# Altium PCB Smartfin Main PCBA.PcbDoc (part 1 of 2) (continued)
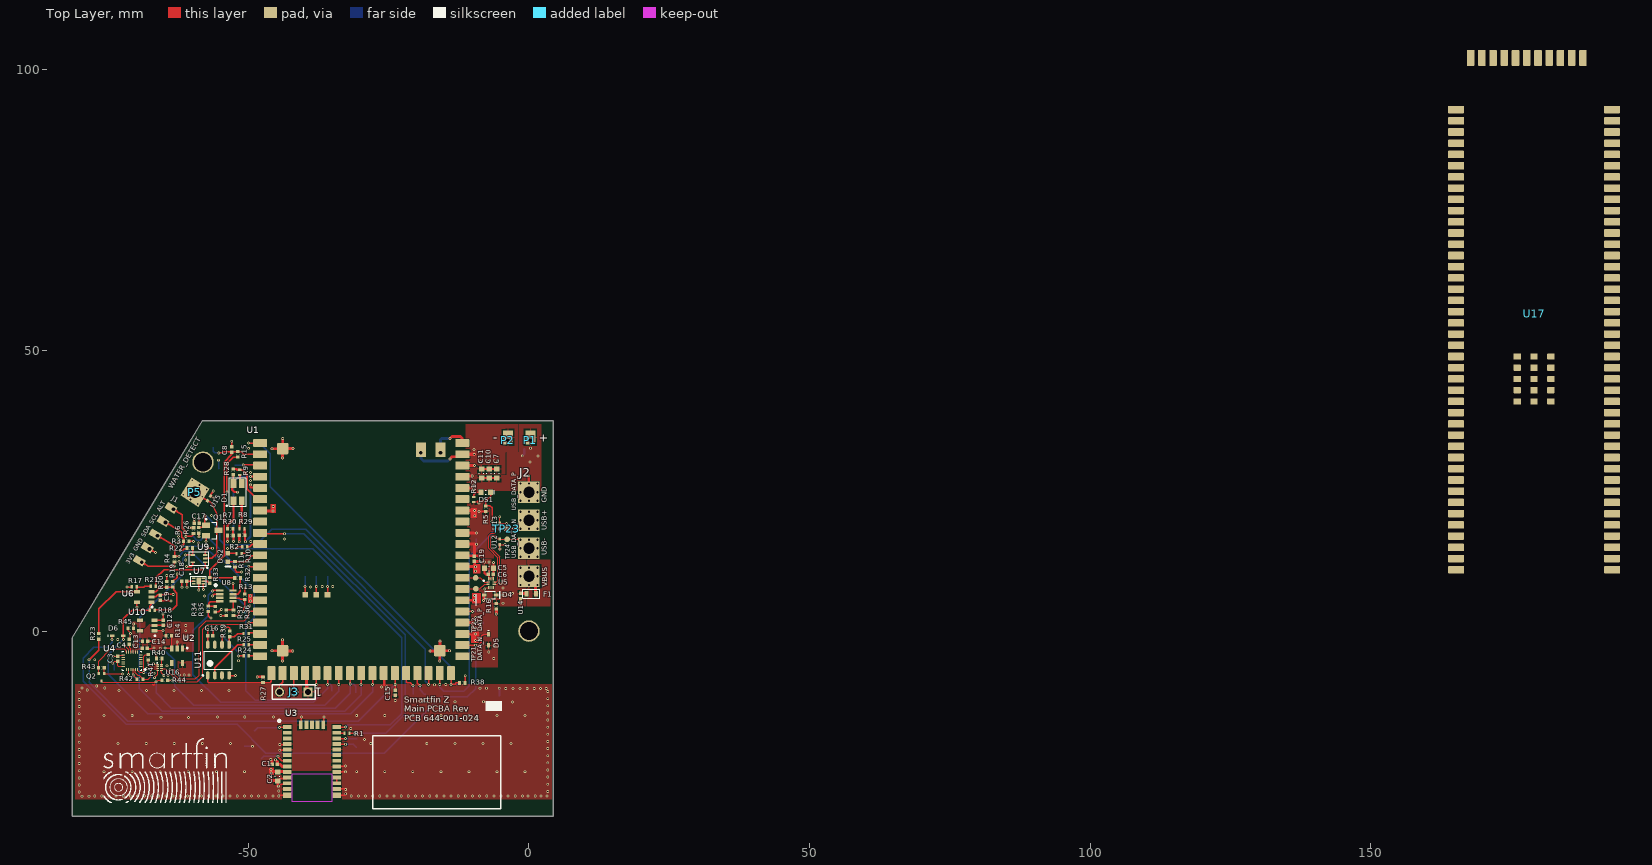
[diagram p0: Top Layer view]
## Footprints (in the part's own frame and the unit in brackets; to place one, negate y for a bottom-side part, rotate by r counter-clockwise, add the part's x,y. Pads: shape width x height; smd on the part's side, far side on the other; paste and mask are expansions set on the pad) (continued)
MF-FSMF010X-2-Footprint-1 [mil]
  rect 28x39 smd: 1(-33.5,0) 2(33.5,0)
  silkscreen extent -60,-30 60,30, body extent -36,-13 36,13, height 28
MLX90248ELD-EBA-000-RE-Footprint-1 [mm]
  rect 0.25x0.6 smd mask+0.08: 1(-0.5,-0.85) 2(0,-0.85) 3(0.5,-0.85) 4(0.5,0.85) 5(0,0.85) 6(-0.5,0.85)
  rect 1.25x0.75 smd: 7(0,0)
  silkscreen extent -1.34,-1.59 0.89,1.4, body extent -0.74,-1 0.76,1, height 0.4
"New footprint 1" [mm]
  rect 3.81x3.81 hole 2: 1(0,0) 2(0,-5) 3(0,-10) 4(0,-15)
  body extent -0.99,-16 1,1, height 6.2
"Particle E-Series-Footprint-1" [mm]
  rrect15% 2.5x1.4 smd: 1(-0.008,2) 2(-0.008,4) 3(-0.008,6) 4(-0.008,8) 5(-0.008,10) 6(-0.008,12) 7(-0.008,14) 8(-0.008,16) 9(-0.008,18) 10(-0.008,20) 11(-0.008,22) 12(-0.008,24) 13(-0.008,26) 14(-0.008,28) 15(-0.008,30) 16(-0.008,32) 17(-0.008,34) 18(-0.008,36) 19(-0.008,38) 20(-0.008,40) 38(36.008,40) 39(36.008,38) 40(36.008,36) 41(36.008,34) 42(36.008,32) 43(36.008,30) 44(36.008,28) 45(36.008,26) 46(36.008,24) 47(36.008,22) 48(36.008,20) 49(36.008,18) 50(36.008,16) 51(36.008,14) 52(36.008,12) 53(36.008,10) 54(36.008,8) 55(36.008,6) 56(36.008,4) 57(36.008,2)
  rrect15% 1.4x2.5 smd: 21(2,43.008) 22(4,43.008) 23(6,43.008) 24(8,43.008) 25(10,43.008) 26(12,43.008) 27(14,43.008) 28(16,43.008) 29(18,43.008) 30(20,43.008) 31(22,43.008) 32(24,43.008) 33(26,43.008) 34(28,43.008) 35(30,43.008) 36(32,43.008) 37(34,43.008)
  rrect15% 2x2 smd: 58(32,3) 59(32,39) 60(4,39)
  rect 1x1 smd: 61(24,29) 62(26,29) 63(28,29)
  body extent 0,0 36,43, height 4.19
QBLP677AD-RGB2-Footprint-1 [mm]
  rect 1.016x1.524 smd: 1(-0.75,-1.55) 2(-0.75,1.55) 3(0.75,-1.55) 4(0.75,1.55)
  silkscreen extent -2,-2.54 1.53,2.54, body extent -1.4,-1.6 1.4,1.6, height 3.3
QFN35P100X140X40-8L [mm] "QFN, 8-Leads, Body 1.00x1.40mm, Pitch 0.35mm, IPC High Density"
  rect 0.53x0.2 smd mask+0.05: 1(-0.335,0.525) 2(-0.335,0.175) 3(-0.335,-0.175) 4(-0.335,-0.525) 5(0.335,-0.525) 6(0.335,-0.175) 7(0.335,0.175) 8(0.335,0.525)
  silkscreen extent -0.47,0.8 -0.38,0.9, body extent -0.53,-0.72 0.53,0.72, height 0.4
RESC0402(1005)_N [mm] "Chip Resistor, Body 1.0x0.5mm, IPC Medium Density"
  rect 0.55x0.65 smd: 1(-0.5,0) 2(0.5,0)
  silkscreen extent 0,-0.25 0,0.25, body extent -0.52,-0.27 0.53,0.28, height 0.4
RESC1005X04N [mm] "Chip Resistor, 2-Leads, Body 1.00x0.50mm, IPC Medium Density"
  rect 0.4x0.6 smd: 1(-0.45,0) 2(0.45,0)
  body extent -0.53,-0.28 0.53,0.28, height 0.4
SOD323F [mm] "SOD323F, 2-Leads, Body 1.25x2.50mm, IPC Medium Density"
  rect 0.8x0.5 smd: A(1.1,0) K(-1.1,0)
  silkscreen extent -1.73,-0.7 0.9,0.7, body extent -0.9,-0.67 0.9,0.67, height 0.75
SOD-523F [mm] "Molded Diode, 2-Leads, Body 1.2x0.8mm, IPC Medium Density"
  rect 0.8x0.5 smd: A(-1,0) K(1,0)
  silkscreen extent 1.7,-0.15 1.7,0.15, body extent -0.65,-0.45 0.65,0.45, height 0.7
SOP127P600X175-8N [mm] "SOP, 8-Leads, Body 4.90x3.90mm, Pitch 1.27mm, IPC Medium Density"
  oval 1.45x0.65 smd: 1(-2.725,1.905) 2(-2.725,0.635) 3(-2.725,-0.635) 4(-2.725,-1.905) 5(2.725,-1.905) 6(2.725,-0.635) 7(2.725,0.635) 8(2.725,1.905)
  silkscreen extent -2.85,-2.5 1.6,2.9, body extent -2,-2.5 2,2.5, height 1.75
SOT95P251X112-3N [mm] "SOT23, 3-Leads, Body 2.92x2.51mm, Pitch 0.95mm, IPC Medium Density"
  rect 1.4x1 smd: D(1.1,0) G(-1.1,0.95) S(-1.1,-0.95)
  silkscreen extent -1.22,-1.5 0.76,2.12, body extent -0.76,-1.52 0.76,1.52, height 1.12
SOT95P280X145-5N [mm] "SOT23, 5-Leads, Body 2.90x2.80mm, Pitch 0.95mm, IPC Medium Density"
  rect 1.1x0.6 smd: 1(-1.3,0.95) 2(-1.3,0) 3(-1.3,-0.95) 4(1.3,-0.95) 5(1.3,0.95)
  silkscreen extent -1.5,1.7 -1.25,1.95, body extent -0.88,-1.52 0.87,1.53, height 1.45
TESTPAD_ICT#1 [mm] "ICT Test Point; 1mm diameter"
  round 1 smd paste-1: 1(0,0)
TESTPAD_ICT#2 [mm] "ICT Test Point; 1mm diameter"
  round 1 smd paste-1: 1(-0.835,0)
TESTPAD_ICT#3 [mm] "ICT Test Point; 1mm diameter"
  round 1 smd far side paste-1: 1(0,0)
TESTPAD_ICT#4 [mm] "ICT Test Point; 1mm diameter"
  round 1 smd paste-1: 1(9.35,4.673)
TESTPAD_ICT#5 [mm] "ICT Test Point; 1mm diameter"
  round 1 smd paste-1: 1(-0.606,0)
TLV73333PDBVR-Footprint-1 [mm]
  rect 1.1x0.6 smd: 1(1.298,-0.95) 2(1.298,0) 3(1.298,0.95) 4(-1.296,0.95) 5(-1.296,-0.95)
  silkscreen extent 1.25,-1.92 1.5,-1.68, body extent -1.35,-1.42 1.45,1.47, height 1.11
TPD1E10B06DPYT-Footprint-1 [mm]
  rect 0.6x0.5 smd: 1(-0.5,0) 2(0.5,0)
  body extent -0.55,-0.35 0.55,0.35, height 0.5
TRACKER-SOM-3A [mm] "TRACKER-SOM-3A"
  rrect15% 2.8x1.35 smd: 1(27.9,-91.3) 2(27.9,-89.3) 3(27.9,-87.3) 4(27.9,-85.3) 5(27.9,-83.3) 6(27.9,-81.3) 7(27.9,-79.3) 8(27.9,-77.3) 9(27.9,-75.3) 10(27.9,-73.3) 11(27.9,-71.3) 12(27.9,-69.3) 13(27.9,-67.3) 14(27.9,-65.3) 15(27.9,-63.3) 16(27.9,-61.3) 17(27.9,-59.3) 18(27.9,-57.3) 19(27.9,-55.3) 20(27.9,-53.3) 21(27.9,-51.3) 22(27.9,-49.3) 23(27.9,-47.3) 24(27.9,-45.3) 25(27.9,-43.3) 26(27.9,-41.3) 27(27.9,-39.3) 28(27.9,-37.3) 29(27.9,-35.3) 30(27.9,-33.3) 31(27.9,-31.3) 32(27.9,-29.3) 33(27.9,-27.3) 34(27.9,-25.3) 35(27.9,-23.3) 36(27.9,-21.3) 37(27.9,-19.3) 38(27.9,-17.3) 39(27.9,-15.3) 40(27.9,-13.3) 41(27.9,-11.3) 42(27.9,-9.3) 54(0.1,-9.3) 55(0.1,-11.3) 56(0.1,-13.3) 57(0.1,-15.3) 58(0.1,-17.3) 59(0.1,-19.3) 60(0.1,-21.3) 61(0.1,-23.3) 62(0.1,-25.3) 63(0.1,-27.3) 64(0.1,-29.3) 65(0.1,-31.3) 66(0.1,-33.3) 67(0.1,-35.3) 68(0.1,-37.3) 69(0.1,-39.3) 70(0.1,-41.3) 71(0.1,-43.3) 72(0.1,-45.3) 73(0.1,-47.3) 74(0.1,-49.3) 75(0.1,-51.3) 76(0.1,-53.3) 77(0.1,-55.3) 78(0.1,-57.3) 79(0.1,-59.3) 80(0.1,-61.3) 81(0.1,-63.3) 82(0.1,-65.3) 83(0.1,-67.3) 84(0.1,-69.3) 85(0.1,-71.3) 86(0.1,-73.3) 87(0.1,-75.3) 88(0.1,-77.3) 89(0.1,-79.3) 90(0.1,-81.3) 91(0.1,-83.3) 92(0.1,-85.3) 93(0.1,-87.3) 94(0.1,-89.3) 95(0.1,-91.3)
  rrect15% 1.35x2.8 smd: 43(22.7,-0.1) 44(20.7,-0.1) 45(18.7,-0.1) 46(16.7,-0.1) 47(14.7,-0.1) 48(12.7,-0.1) 49(10.7,-0.1) 50(8.7,-0.1) 51(6.7,-0.1) 52(4.7,-0.1) 53(2.7,-0.1)
  rrect15% 1.3x1.1 smd paste+0: 96(17,-61.3) 97(17,-59.3) 98(17,-57.3) 99(17,-55.3) 100(17,-53.3) 101(11,-55.3) 102(11,-57.3) 103(11,-59.3) 104(11,-61.3) 105(11,-53.3) 106(14,-53.3) 107(14,-55.3) 108(14,-57.3) 109(14,-59.3) 110(14,-61.3)
  body extent -1.31,-91.98 29.31,1.31, height 1.27
TS5A4595DCKR-Footprint-1 [mm]
  rect 0.35x0.85 smd: 1(0.65,1.1) 2(0,1.1) 3(-0.65,1.1) 4(-0.65,-1.1) 5(0.65,-1.1)
  silkscreen extent -1.19,-1.78 1.75,1.72, body extent -1.07,-0.7 1.08,0.7, height 1
"Water Detect Pad-Footprint-1" [mm]
  rect 3.81x3.81 hole 2 rot 58: 1(0.008,-0.019)
  body extent -0.98,-1.02 1.01,0.98, height 8.2

## Part data
C1 C3 C4 C6 C8 C9 C12 C13 C14 C15 C16 C17 C18 C19: library part CMP-13694-A.6, "CAP CER 1UF 10V 10% X5R 0402"
C2 C5 C7 C10 C11: library part CMP-23693-A.2, "CAP CER 22UF 10V X5R 0603"
D1: library part CMP-23886-A.1, "LED RGB, 3528 PLCC4 DOME LENS, 2"
D4: library part CMP-16992-A.4, "DIODE ZENER 5.42V 200MW SOD-323"
D5 D6: library part CMP-23830-A.2, "DIODE SCHOTTKY 30V 200MA SOD523F"
DS1: library part CMP-08086-A.3, "LED 1.6X0.8MM 570NM GRN CLR SMD"
DS2: library part CMP-23696-A.2, "LED RED CLEAR CHIP SMD 0603"
F1: library part CMP-23709-A.6, "0603 SMD POLYMER PTC 1.25A/8V"
J1: library part CMP-23769-A.7, "Pads on the main pcb that connect a cable to temp sensor board"
J2: library part CMP-23701-A.5, "usb power connection"
J3: library part CMP-09249-5, "CONN HEADER .100\" SNGL STR 3POS"
P1 P2 P3 P4: library part CMP-23776-A.3, "Battery Pad for Smartfin Main board"
P5: library part CMP-23706-A.3
Q1: library part CMP-08418-A.8, "MOSFET N-CH 50V 220MA SOT-23"
Q2: library part CMP-23815-A.1, "MOSFET N-CH 20V 230MA SOT523"
R1 R2 R10 R21: library part CMP-22585-A.1, "RES SMD 330 OHM 1% 1/16W 0402"
R3 R4 R5 R6 R11 R13 R14 R15 R16 R19 R20 R22 R26 R27 R28 R29 R30 R34 R35 R36 R37 R38 R41 R42 R43 R44: library part CMP-15831-A.1, "RES SMD 10K OHM 0.1% 1/16W 0402"
R7: library part CMP-10056-A.4, "RES 220 OHM 1/16W 1% 0402 SMD"
R8: library part CMP-22964-A.1, "RES SMD 280 OHM 1% 1/16W 0402"
R9: library part CMP-23195-A.1, "RES SMD 300 OHM 1% 1/16W 0402"
R12: library part CMP-20572-A.1, "RES SMD 120 OHM 5% 1/16W 0402"
R17 R18: library part CMP-22582-A.1, "RES SMD 100K OHM 1% 1/16W 0402"
R23 R32 R33: library part CMP-10566-A.1, "RES 0.0 OHM 1/16W 0402 SMD"
R24 R25 R31: library part CMP-20566-A.1, "RES SMD 33 OHM 5% 1/16W 0402"
R39: library part CMP-10629-A.1, "RES 1.0M OHM 1/16W 5% 0402 SMD"
R40 R45: library part CMP-10579-A.1, "RES 200K OHM 1/16W 5% 0402 SMD"
TP1 TP2 TP3 TP4 TP5 TP6 TP7 TP8 TP9 TP10 TP11 TP12 TP13 TP14 TP15 TP16 TP17 TP18 TP19 TP20 TP21 TP22 TP23 TP24 TP25 TP26 TP27: library part CMP-08242-A.3, "ICT Test Point"
U1: library part CMP-23710-A.5, "Global 2G/3G, U-blox SARA-U201 Modem"
U2: library part CMP-23694-A.8, "IC REG LINEAR 3.3V 300MA SOT23-5"
U3: library part CMP-23691-A.8, "RF RCVR GNSS/GPS 1.575GHZ MODULE"
U4: library part CMP-23688-A.7, "IMU ACCEL/GYRO/COMPI2C/SPI 24QFN"
U5: library part CMP-23705-A.6, "USB MULTIMEDIA SWITCHES"
U6: library part CMP-23700-A.7, "Comparator Single 8V 5-Pin SOT-23 T/R"
U7: library part CMP-23697-A.7, "MAGNETIC SWITCH OMNIPOLAR 6UTQFN"
U8: library part CMP-23704-A.5, "IC WATCHDOG TIMER SOT23-8"
U9: library part CMP-23699-A.6, "IC, ANALOG SWITCH 5V SC70-5"
U10: library part CMP-23434-A.4, "IC REG LDO 1.8V 0.25A SOT23-5"
U11: library part CMP-23702-A.4, "IC FLASH 32M SPI 80MHZ 8SOP"
U12 U13 U15: library part CMP-23707-A.9, "TVS DIODE 3.6V 8.5V 2X1SON"
U14: library part CMP-23708-A.6, "TVS DIODE 5.5VWM 14VC 2X2SON"
U16: library part CMP-06761-4, "IC V-LEVL XLATR I2C/SMBUS 8X2SON"
U17: library part TRACKER-SOM-3A, PackageName=TRACKER-SOM-3A

## Free pads (board coordinates)
  round 3.81 hole 3.25 unplated: 7(-58.064,30.099) 7(0,0.001)

## Via types
v1: diameter 0.503, hole 0.203, Top Layer to Bottom Layer, tented both sides, 397 vias
v2: diameter 0.6, hole 0.4, Top Layer to Bottom Layer, 32 vias
v3: diameter 0.61, hole 0.305, Top Layer to Bottom Layer, 8 vias

## Nets (pads, with @x,y where several pads share a name; then routed paths per layer and width w, separated by ;. In a path a pad name is that pad's centre, name@x,y a point inside that pad or via, vN(x,y) a via of type N, cw(c..) or ccw(c..) an arc to the next point about the centre after c; other vN are vias at no path point)
1V8_VDDIO: C13.2 C14.2 Q2.G R41.2 R42.2 R43.2 R45.2 TP20.1 U4.8 U4.22 U10.5 U16.2 | length 10
  Top Layer w0.15: v1(-67.838,-5.97) -67.465,-6.344 U16.2@-66.136,-6.344
  Top Layer w0.203: R43.2@-75.66,-6.518 Q2.G@-75.66,-7.579 -75.624,-7.615 -72.477,-7.615 v1(-72.441,-7.652) ; U4.22@-70.521,-6.841 -70.521,-7.909 -70.48,-7.909 v1@-70.453,-7.936 ; v1(-70.51,-7.798) -70.117,-8.191 ; -70.113,-8.191 -69.798,-8.506 R42.2@-69.798,-8.556 ; v1(-67.838,-5.97) R41.2@-67.838,-5.18
  Top Layer w0.254: U10.5@-69.436,-0.021 U10.5@-69.375,0.04 ; C14.2@-68.863,-1.798 C14.2@-68.85,-1.785 ; C13.2@-68.852,-3.155 C13.2@-68.776,-3.078
  Bottom Layer w0.203: v1(-70.51,-7.798) -70.51,-8.126 TP20.1@-70.297,-8.34
  other v1: -69.838,-1.785 -70.424,1.252
3V3: C1.2 C3.1 C9.2 C12.2 C16.2 C17.2 C18.2 C19.2 D1.2 J1.5 R3.2 R4.2 R5.2 R6.2 R10.2 R11.2 R12.2 R15.2 R17.2 R19.2 R27.2 R28.2 R29.2 R30.2 R35.2 R36.2 R38.2 R40.2 R44.2 TP10.1 U1.9 U1.10 U1.11 U3.8 U4.13 U6.2 U7.2 U8.8 U9.5 U10.1 U10.3 U11.8 | length 67.5
  Top Layer w0.203: v1(-74.066,-4.483) C3.1@-73.272,-4.483 -73.08,-4.291 U4.13@-72.271,-4.291 ; R44.2@-64.348,-8.776 -64.348,-8.783 -64.324,-8.758 v1(-63.638,-8.758) v1@-63.638,-8.755
  Top Layer w0.254: v1@-71.666,7.961 -71.552,7.848 -70.813,7.848 R17.2@-70.788,7.823 ; J1.5@-68.92,12.223 -67.861,11.558 -63.836,11.558 v1@-63.82,11.542 ; U6.2@-67.225,6.075 -67.223,6.073 -66.506,6.073 -66.128,6.452 C9.2@-65.97,6.452 ; U10.1@-66.675,0.04 -66.638,0.078 -65.213,0.078 v1(-65.175,0.115) ; U10.3@-66.675,1.94 C12.2@-65.175,1.94 -65.185,1.95 -65.185,2.957 v1@-65.195,2.967 ; v1(-66.407,-3.968) -66.388,-3.988 -66.388,-4.861 R40.2@-66.369,-4.88 ; C9.2@-65.677,6.429 -65.004,6.429 -64.885,6.548 v1@-63.366,6.548 ; R19.2@-63.438,8.839 -63.434,8.834 -62.655,9.613 v1(-62.655,10.18) ; v1@-63.168,11.685 -63.154,11.7 -63.154,12.299 R4.2@-63.158,12.303 ; v1(-61.029,11.501) -60.166,11.501 -59.882,11.785 U9.5@-59.882,12.265 ; C18.2@-61.004,8.885 -60.98,8.909 C18.2@-60.959,8.909 ; v1@-60.953,7.844 -60.931,7.865 -60.931,8.881 C18.2@-60.959,8.909 ; C18.2@-60.883,8.91 C18.2@-60.96,8.91 C18.2@-60.959,8.909 ; R3.2@-60.633,15.98 -60.63,15.983 -59.773,15.983 v1(-59.77,15.98) ; v1(-60.47,18.403) R6.2@-59.759,18.403 ; R6.2@-59.896,18.41 R6.2@-59.885,18.421 ; U7.2@-59.695,8.908 -59.696,8.909 C18.2@-60.959,8.909 ; C17.2@-59.666,19.236 C17.2@-59.651,19.251 -59.643,19.259 -59.643,19.895 v1(-59.635,19.903) ; C16.2@-57.28,-1.01 C16.2@-57.265,-0.995 ; C16.2@-57.245,-0.843 -57.215,-0.873 -57.215,-2.417 U11.8@-57.23,-2.432 ; C16.2@-57.2,-0.857 -57.209,-0.848 -57.209,0.335 v1@-57.194,0.351 ; R35.2@-55.873,3.407 -55.856,3.424 -55.28,3.424 -54.832,3.872 v1@-54.832,3.907 ; v1(-53.79,24.757) -53.797,24.764 -53.797,29.859 -53.156,30.5 -53.15,30.5 -52.7,30.95 R15.2@-52.05,30.95 ; v1@-53.73,15.988 v1(-53.714,15.972) ; R30.2@-53.73,16.995 R30.2@-53.683,17.042 ; D1.2@-52.95,26.45 -52.691,26.709 R28.2@-52.691,27.875 ; U8.8@-52.749,7.264 U8.8@-52.725,7.24 -52.698,7.267 v1(-52.698,8.479) v1@-52.647,8.428 ; R36.2@-52.65,2.79 -52.624,2.764 -51.936,2.764 -51.707,2.992 -51.707,3.424 v1@-51.733,3.449 ; U8.8@-52.65,7.291 U8.8@-52.599,7.24 ; R11.2@-52.347,11.442 -52.336,11.431 -52.336,10.831 -52.016,10.511 v1(-51.199,10.511) ; v1@-51.225,10.485 v1@-51.174,10.485 ; R10.2@-51.172,13.832 v1@-50.285,13.832 ; v1@-45.205,-22.84 v1@-45.116,-22.929 ; U3.8@-43.15,-24.21 U3.8@-43.125,-24.235 ; U1.11@-11.872,13.504 U1.11@-11.847,13.529 ; U1.10@-11.872,15.504 U1.10@-11.854,15.486 ; R38.2@-11.355,-9.251 v1@-11.355,-8.039
  Top Layer w0.381: v1@-53.73,15.988 R30.2@-53.73,16.995 ; D1.2@-52.9,26.301 -52.85,26.251 -52.85,25.125 -52.498,24.773 v1@-51.927,24.773 ; v1(-51.607,15.925) R29.2@-51.607,17.067 ; R12.2@-9.754,22.973 R12.2@-9.732,22.996 ; -9.114,22.996 -8.909,22.791 v1(-8.876,22.791) ; v1@-8.937,21.3 -7.735,21.3 R5.2@-7.719,21.316
  Top Layer w0.508: v1@-48.405,-8.133 -48.393,-8.145 -47.41,-8.145 R27.2@-47.389,-8.166 ; v1@-45.129,-22.941 -44.824,-23.246 C1.2@-44.824,-23.721 ; C1.2@-44.831,-23.729 C1.2@-44.824,-23.721 ; U3.8@-43.05,-24.11 -43.1,-24.16 -43.935,-24.16 -44.367,-23.729 -44.824,-23.729 C1.2@-44.824,-23.721 ; U1.11@-11.872,13.504 -11.797,13.43 -9.777,13.43 -9.747,13.399 C19.2@-9.747,13.381 ; U1.10@-11.872,15.504 -9.86,15.504 -9.769,15.413 -9.696,15.413 ; U1.9@-11.872,17.504 -9.86,17.504 -9.775,17.419 v1@-9.442,17.419 ; -9.696,15.514 -9.696,15.413 ; v1@-8.883,13.432 -8.885,13.43 -9.665,13.43 C19.2@-9.721,13.374 -9.721,14.446 -9.696,14.471 -9.696,15.413
  Bottom Layer w0.254: TP10.1@-9.416,16.48 -9.358,16.421 -9.358,15.48 v1(-9.35,15.472) ; v1@-9.371,17.51 v1(-9.35,17.49)
  other v1: -45.154,-22.916 -48.405,-8.158 -11.34,-7.972 -57.219,0.3 -65.195,3.018 -51.707,3.475 -54.806,3.83 -63.366,6.523 -60.902,7.818 -71.631,7.873 -63.802,11.556 -63.15,11.563 -8.756,13.406 -50.271,13.835 -8.876,21.292 -51.898,24.748
3v3SW: C2.2 TP19.1 U2.5 U3.1 U3.9 | length 9.4
  Top Layer w0.254: v1(-44.45,-17.186) -44.412,-17.148 -43.088,-17.148 U3.1@-43.05,-17.11
  Top Layer w0.381: U2.5@-61.725,-5.793 U2.5@-61.69,-5.829
  Top Layer w0.508: -46.119,-25.024 C2.2@-44.824,-25.024 ; C2.2@-44.875,-24.973 C2.2@-44.824,-25.024 ; U3.9@-43.05,-25.11 -43.114,-25.046 -44.802,-25.046 C2.2@-44.824,-25.024
  Bottom Layer w0.254: TP19.1@-48.95,-17.86 -48.276,-17.186 v1(-44.45,-17.186)
  other v1: -45.916,-25.278 -45.942,-24.643 -61.401,-7.835 -60.562,-7.835 -62.238,-7.809
ALERT: J1.1 R6.1 U1.46 | length 24.4
  Top Layer w0.254: J1.1@-63.925,22.125 -63.396,21.787 J1.1@-63.31,21.732 ; J1.1@-63.42,21.749 -61.775,20.75 -61.75,20.725 -61.75,18.293 -61.118,17.661 -61.118,16.873 v1(-61.131,16.861) ; v1@-61.213,16.865 -61.207,16.86 -60.038,16.86 -59.888,17.01 -59.888,17.418 R6.1@-59.885,17.421 ; v1@-49.969,11.504 U1.46@-47.888,11.504
  Bottom Layer w0.254: v1@-61.08,16.835 -61.055,16.861 -59.836,16.861 -59.182,16.207 -58.501,16.207 -58.114,16.594 -57.166,16.594 -52.118,11.546 v1@-49.883,11.546
  other v1: -49.913,11.56
BLUE: D1.4 R9.2 | length 1.6
  Top Layer w0.381: R9.2@-51.525,27.8 -51.455,27.73 -51.455,26.356 D1.4@-51.4,26.301
BLUE_PIO: R9.1 R28.1 U1.52 | length 8.6
  Top Layer w0.381: R28.1@-52.691,28.94 -52.602,28.852 -52.115,28.852 -51.998,28.735 -51.534,28.735 R9.1@-51.525,28.725 ; R9.1@-51.55,28.725 -51.541,28.716 -51.066,28.716 -50.251,27.901 -50.251,25.654 ; -50.259,25.646 -50.259,25.384 -48.379,23.504 U1.52@-47.888,23.504
COM: R21.1 U9.1 | length 11.9
  Top Layer w0.254: R21.1@-66.468,7.976 -66.468,9.466 -65.019,10.915 -58.234,10.915 -57.682,11.467 U9.1@-57.682,12.265
DATA_N: TP21.1 U1.14 U5.2 | length 4.9
  Top Layer w0.152: U1.14@-11.842,7.49 -11.792,7.54 TP21.1@-9.463,7.54 -8.718,7.54 -7.908,8.35 U5.2@-7.325,8.35
DATA_P: TP22.1 U1.13 U5.1 | length 4.9
  Top Layer w0.152: U1.13@-11.842,9.49 TP22.1@-9.5,9.49 -8.64,9.49 -7.882,8.732 -7.268,8.732 U5.1@-7.25,8.75
EXTINT: TP16.1 U3.7 | length 5.4
  Top Layer w0.254: v1@-44.722,-22.484 v1(-44.722,-22.306) -44.722,-22.433 -44.046,-23.11 U3.7@-43.05,-23.11
  Bottom Layer w0.254: TP16.1@-47.65,-22.735 -47.221,-22.306 v1(-44.722,-22.306)
GND: C1.1 C2.1 C3.2 C4.1 C5.1 C6.1 C7.1 C8.1 C9.1 C10.1 C11.1 C12.1 C13.1 C14.1 C15.1 C16.1 C17.1 C18.1 C19.1 D4.A J1.4 J2.1 J3.1 P2.1 P4.1 Q1.S R13.1 R14.1 R16.1 R20.1 R22.1 R26.1 R34.1 R37.1 R39.1 R45.1 TP4.1 TP7.1 TP9.1 TP11.1 U1.2 U1.4 U1.7 U1.12 U1.15 U1.18 U1.27 U1.34 U1.43 U1.51 U1.58 U1.59 U1.60 U2.2 U3.4 U3.5 U3.10 U3.11 U3.12 U3.13 U3.14 U3.15 U3.18 U3.19 U3.21 U3.22 U3.27 U3.31 U4.9 U4.11 U4.18 U4.20 U5.3 U5.8 U6.5 U7.4 U7.7 U8.2 U9.3 U10.2 U11.4 U12.1 U13.2 U14.2 U15.2 U16.1 | length 140.2
  Top Layer w0.15: v1@-66.785,-5.822 -66.614,-5.992 U16.1@-66.136,-5.994 ; U16.1@-66.051,-6.015 U16.1@-66.03,-5.994
  Top Layer w0.203: v1(-74.162,-5.721) -74.137,-5.721 -73.799,-5.383 C3.2@-73.272,-5.383 -73.272,-6.172 -73.153,-6.291 U4.18@-72.271,-6.291 ; v1(-72.104,-2.462) -72.104,-2.512 -71.323,-3.293 -71.323,-3.739 U4.11@-71.321,-3.741 ; R45.1@-71.424,0.525 -71.424,0.013 v1(-70.975,-0.435) -71.03,-0.489 -71.03,-1.27 C4.1@-71.238,-1.479 ; v1(-71.321,-7.74) U4.20@-71.321,-6.841 ; U4.9@-70.521,-3.741 U4.9@-70.521,-3.741 -70.52,-2.472 v1(-70.48,-2.432) ; v1(-66.866,-5.822) v1@-66.785,-5.822 ; U16.1@-66.136,-5.994 U16.1@-66.136,-5.994 ; R14.1@-64.682,-0.907 R14.1@-64.682,-0.857 ; v1@-58.835,20.047 -58.777,19.989 -58.777,19.277 C17.1@-58.751,19.251 ; v1(-7.875,7.525) -7.794,7.525 -7.569,7.75 -7.161,7.75 -7.15,7.761 U5.3@-7.15,7.8 ; C6.1@-6.375,10.025 -6.35,10 U5.8@-6.35,9.318 ; C7.1@-5.729,28.849 C7.1@-5.694,28.849 ; v1@-5.197,20.389 -5.182,20.374 U13.2@-5.182,19.225 -5.162,19.205 -4.02,19.205 v1@-3.992,19.233 ; v1@-5.193,14.614 U12.1@-5.193,15.399 ; U12.1@-5.193,15.413 v1(-4.274,15.413) ; v1@-4.004,19.193 v1@-3.979,19.218
  Top Layer w0.254: v1(-69.834,4.26) U6.5@-69.834,5.231 ; C13.1@-67.975,-3.085 -67.906,-3.155 v1@-66.922,-3.155 ; C14.1@-67.913,-1.859 -67.838,-1.785 v1(-66.819,-1.785) ; J1.4@-67.545,14.604 v1(-66.527,13.99) ; U10.2@-66.675,0.99 -66.65,1.015 -65.292,1.015 C12.1@-65.246,1.062 ; C9.1@-65.629,5.445 v1@-63.838,5.445 ; C12.1@-65.2,1.015 C12.1@-65.175,1.04 ; R20.1@-64.538,8.814 v1(-64.538,9.914) ; U2.2@-62.675,-3.043 v1(-62.675,-1.929) ; v1@-62.224,14.375 -62.172,14.427 -61.637,14.427 -61.385,14.678 -61.027,14.678 R22.1@-60.915,14.79 ; C18.1@-61.918,8.834 -61.851,8.767 -61.851,7.827 v1(-61.842,7.818) ; R26.1@-58.925,17.495 -58.794,17.364 v1(-58.794,16.792) ; U7.7@-58.845,8.908 -58.832,8.895 -58.832,7.298 v1@-58.794,7.259 ; Q1.S@-58.035,17.31 -58.013,17.288 -58.036,17.265 -57.521,16.75 v1(-57.521,15.951) ; v1(-57.995,7.383) U7.4@-57.995,8.408 ; U9.3@-57.682,13.565 -57.682,14.233 -57.189,14.726 -56.439,14.726 v1(-56.4,14.765) ; R34.1@-57.138,3.456 -57.138,2.708 -56.787,2.357 v1(-56.66,2.357) ; v1(-56.375,6.24) -56.025,6.59 U8.2@-55.075,6.59 ; C16.1@-56.3,-0.857 -56.277,-0.835 -56.277,0.277 v1(-56.254,0.3) ; v1(-56.254,24.973) U15.2@-56.75,24.077 -56.702,24.05 v1(-56.11,23.71) ; v1(-54.9,2.765) -53.925,2.765 R37.1@-53.9,2.79 ; v1(-54.095,0.662) -54.047,0.709 -53.463,0.709 -53.308,0.554 R39.1@-53.308,-0.013 ; U11.4@-53.476,-7.885 U11.4@-53.473,-7.882 ; U11.4@-53.42,-7.882 -53.372,-7.93 v1(-52.266,-7.93) ; C8.1@-52.938,32.85 v1(-52.938,33.825) ; R13.1@-50.615,6.616 v1@-50.615,7.64 ; U1.43@-48.063,5.529 -47.963,5.429 U1.43@-47.888,5.504 ; v1@-46.119,-26.192 -45.666,-26.646 ; v1@-45.945,-23.017 -45.945,-22.919 v1@-45.916,-22.89 ; v1@-44.4,-29.235 U3.13@-43.15,-29.235 ; v1(-44.4,-21.235) U3.5@-43.125,-21.235 ; v1(-44.4,-20.235) -43.625,-20.235 U3.4@-43.375,-19.985 ; -44.24,-27.386 -44.181,-27.327 -43.267,-27.327 U3.11@-43.05,-27.11 U3.11@-43,-27.11 ; U1.58@-43.913,32.478 -43.867,32.524 U1.58@-43.859,32.532 ; v1@-43.884,30.805 v1@-43.88,30.809 ; v1@-43.884,34.285 v1@-43.867,34.268 ; U3.12@-43.004,-28.106 U3.12@-42.984,-28.126 ; v1@-42.033,32.504 v1@-42.03,32.507 ; U3.31@-40.525,-17.035 v1(-40.525,-15.295) ; U3.27@-36.525,-17.035 v1(-36.525,-15.295) ; U3.14@-34.25,-29.26 -32.675,-29.26 -32.65,-29.235 ; U3.15@-34.25,-28.11 -32.775,-28.11 v1(-32.65,-28.235) ; U3.18@-34.018,-25.078 v1(-32.666,-25.078) ; U3.19@-34.002,-24.062 v1(-32.666,-24.062) ; U1.7@-11.872,21.504 U1.7@-11.758,21.504 ; -6.394,30.5 -6.025,30.869 ; C6.1@-6.338,10.087 C6.1@-6.325,10.1 C6.1@-6.3,10.125
  Top Layer w0.381: J1.4@-68.16,14.874 J1.4@-67.623,14.547 ; C2.1@-44.896,-26.573 -44.598,-26.573 -44.294,-26.27 -43.209,-26.27 U3.10@-43.05,-26.11 ; v1@-44.755,-27.721 C2.1@-44.755,-26.681 ; C11.1@-8.429,28.849 C10.1@-7.082,28.849 C7.1@-5.729,28.849 ; C6.1@-6.325,10.1 C5.1@-6.325,11.075 ; C5.1@-6.311,11.19 v1@-6.311,12.21
  Top Layer w0.508: v1(-49.625,5.38) -48.213,5.38 U1.43@-48.063,5.529 ; U1.51@-47.888,21.504 -47.766,21.382 v1(-45.586,21.382) ; v1@-45.967,-23.017 -45.787,-23.197 -45.787,-23.673 C1.1@-45.731,-23.729 ; v1@-45.764,-3.51 -45.749,-3.496 U1.59@-43.88,-3.496 ; v1@-45.747,32.478 U1.58@-43.913,32.478 ; -45.666,-26.646 C2.1@-44.747,-26.646 ; v1@-43.884,-5.314 -43.88,-5.31 U1.59@-43.88,-3.496 ; v1@-43.884,-1.605 -43.88,-1.609 U1.59@-43.88,-3.496 ; v1@-43.88,30.809 U1.58@-43.88,32.504 v1@-42.033,32.504 ; U1.58@-43.867,32.524 v1@-43.867,34.268 ; v1@-42.106,-3.536 -43.84,-3.536 U1.59@-43.88,-3.496 ; U1.34@-39.82,-7.564 U1.34@-39.88,-7.504 -39.65,-7.734 -39.65,-10.575 J3.1@-39.3,-10.925 ; U1.27@-25.88,-7.504 -25.774,-7.61 -25.774,-9.555 ; v1@-17.595,-3.536 -15.92,-3.536 U1.60@-15.88,-3.267 ; v1@-15.88,-5.276 U1.60@-15.88,-3.536 ; v1@-15.843,-1.783 -15.843,-3.458 U1.60@-15.88,-3.267 ; v1@-14.141,-3.51 -15.866,-3.51 U1.60@-15.88,-3.267 ; v1(-14.09,30.653) -13.685,31.058 -12.262,31.058 U1.2@-11.816,31.504 ; U1.18@-11.872,-0.496 -9.86,-0.496 -9.767,-0.589 v1@-9.493,-0.589 ; U1.15@-11.872,5.504 v1(-9.68,5.504) ; U1.12@-11.872,11.504 v1@-9.645,11.504 ; U1.7@-11.779,21.483 -11.758,21.504 v1(-9.68,21.504) ; C19.1@-9.721,12.474 C19.1@-9.665,12.418 ; v1@-9.645,11.476 v1@-9.645,11.504 ; v1@-8.756,12.416 -8.758,12.418 C19.1@-9.665,12.418 ; D4.A@-8.146,6.421 -8.05,6.421 v1@-8.05,5.45 ; C5.1@-6.4,11.15 C5.1@-6.325,11.075 ; C5.1@-6.325,11.175 C5.1@-6.311,11.19 ; v1@-5.8,3.025 R16.1@-5.8,3.925 ; v1@-5.193,14.614 v1(-5.175,14.596) ; U12.1@-5.193,15.399 U12.1@-5.197,15.403 -5.197,15.409 U12.1@-5.193,15.413 ; v1@-1.534,5.262 U14.2@-1.534,5.762 ; v1(-0.025,27.675) -0.025,26.05 J2.1@0.05,25.975 ; C19.1@-9.665,12.418 -9.665,11.91 -9.645,11.889 v1@-9.645,11.504
  Top Layer w0.559: U1.4@-11.872,27.504 -11.771,27.605 v1@-10.305,27.605 ; U1.2@-11.872,31.504 -11.816,31.504 v1@-9.747,31.504
  Bottom Layer w0.254: v1(-74.162,-5.721) -74.162,-5.746 -73.907,-6.001 -73.907,-6.952 -73.884,-6.952 TP4.1@-73.9,-6.968 ; v1(-55.3,30.45) TP11.1@-55.3,29.1 -55.3,29.05 TP11.1@-55.2,28.95 ; TP7.1@-50.7,-20.535 v1(-49.275,-20.535)
  Bottom Layer w0.381: v1@-5.315,-10.208 -5.309,-10.208 -5.271,-10.247 -5.271,-11.482 TP9.1@-5.265,-11.487
  Bottom Layer w0.508: P4.1@-19.596,32.615 -19.596,32.234 P4.1@-19.367,32.005 ; P4.1@-19.25,31.79 -19.25,30.769 -18.766,30.285 -14.458,30.285 v1(-14.09,30.653)
  other v1: -79.65,-29.427 -78.38,-29.427 -77.37,-29.392 -76.1,-29.392 -74.83,-29.392 -73.56,-29.392 -72.29,-29.392 -71.02,-29.392 -69.75,-29.392 -68.48,-29.392 -67.21,-29.392 -65.94,-29.392 -64.67,-29.392 -63.4,-29.392 -62.13,-29.392 -60.86,-29.392 -59.59,-29.392 -58.32,-29.392 -57.05,-29.392 -55.78,-29.392 -54.51,-29.392 -53.24,-29.392 -51.97,-29.392 -50.7,-29.392 -49.43,-29.392 -48.16,-29.392 -46.89,-29.392 -45.62,-29.392 -31.65,-29.392 -30.38,-29.392 -29.11,-29.392 -27.84,-29.392 -26.57,-29.392 -25.3,-29.392 -24.03,-29.392 -22.76,-29.392 -21.49,-29.392 -20.22,-29.392 -18.95,-29.392 -17.68,-29.392 -16.41,-29.392 -15.14,-29.392 -13.87,-29.392 -12.6,-29.392 -11.33,-29.392 -10.06,-29.392 -8.79,-29.392 -7.52,-29.392 -6.25,-29.392 -4.98,-29.392 -3.71,-29.392 -2.44,-29.392 -1.17,-29.392 -0.15,-29.392 1.12,-29.392 2.18,-29.392 3.2,-29.392 -44.57,-29.371 -32.65,-28.981 -80.132,-28.693 3.342,-28.555 -44.578,-28.479 -44.602,-27.636 -80.132,-27.423 3.342,-27.285 -80.132,-26.153 -46.17,-26.142 3.342,-26.015 -75.69,-25.051 -70.69,-25.051 -65.69,-25.051 -60.69,-25.051 -55.69,-25.051 -50.69,-25.051 -30.69,-25.051 -25.69,-25.051 -20.69,-25.051 -15.69,-25.051 -10.69,-25.051 -5.69,-25.051 -0.69,-25.051 -80.132,-24.883 3.342,-24.745 -80.132,-23.613 3.342,-23.475 -45.992,-22.89 -80.132,-22.343 3.342,-22.205 -80.132,-21.073 3.342,-20.935 -73.19,-20.051 -68.19,-20.051 -63.19,-20.051 -58.19,-20.051 -53.19,-20.051 -28.19,-20.051 -18.19,-20.051 -13.19,-20.051 -8.19,-20.051 -3.19,-20.051 -80.132,-19.803 3.342,-19.665 -29.305,-19.292 -80.132,-18.533 3.342,-18.395 -31.74,-17.386 -80.132,-17.263 3.342,-17.125 -80.132,-15.993 3.342,-15.855 -60.63,-15.419 -65.552,-15.356 -55.469,-15.31 -50.635,-15.31 -45.512,-15.31 -75.69,-15.051 -70.69,-15.051 -30.69,-15.051 -25.69,-15.051 -20.69,-15.051 -15.69,-15.051 -10.69,-15.051 -5.69,-15.051 -0.69,-15.051 -80.132,-14.723 3.342,-14.585 -80.132,-13.453 3.342,-13.315 -2.92,-12.626 -18.192,-12.58 -13.18,-12.58 -8.066,-12.58 -23.818,-12.375 -80.132,-12.183 3.342,-12.045 -80.132,-10.913 3.342,-10.775 -73.027,-10.613 -68.125,-10.613 -63.223,-10.613 -58.322,-10.613 -53.42,-10.613 -78.691,-10.47 -4.123,-10.215 -2.853,-10.215 -1.583,-10.215 -0.313,-10.215 0.957,-10.215 2.055,-10.217 3.075,-10.217 -8.741,-10.178 -5.276,-10.19 -79.65,-10.16 -75.569,-10.16 -7.575,-10.175 -25.329,-9.959 -26.257,-9.936 -77.015,-9.769 -16.833,-9.555 -14.827,-9.505 -64.335,-7.93 -66.819,-7.515 -68.102,-6.69 -64.475,-6.172 -43.881,-5.306 -15.881,-5.306 -51.755,-5.291 -77.37,-5.108 -42.081,-3.531 -17.606,-3.531 -45.806,-3.506 -14.131,-3.506 -65.677,-3.053 -66.775,-2.993 -65.175,-2.11 -15.831,-1.756 -9.518,-1.656 -43.881,-1.556 -73.272,-1.499 -9.493,-0.496 -54.679,0.173 -49.879,0.63 -63.975,1.04 -5.825,3.05 -51.428,4.237 -49.752,4.44 -1.544,5.187 -63.798,5.38 -8.075,5.425 -57.803,6.252 -49.65,6.269 -9.683,6.348 -58.819,7.336 -50.615,7.699 -38.931,7.869 -34.943,7.92 -36.823,7.945 -49.904,10.638 -9.505,10.666 -9.53,11.453 -6.303,12.233 -62.332,12.401 -8.731,12.416 -61.156,12.644 -62.186,14.379 -53.688,14.706 -52.938,14.699 -58.893,15.671 -62.514,15.75 -49.558,15.942 -43.525,16.426 -62.462,16.835 -4.013,19.185 -58.777,20.012 -5.189,20.381 -9.645,20.544 -56.531,20.572 -45.561,22.169 -49.625,26.825 -10.1,27.625 -49.625,28.275 -8.625,30.175 -5.625,30.175 -7.15,30.2 -43.881,30.844 -9.747,31.491 -9.772,32.38 -45.756,32.494 -42.031,32.519 -49.975,32.56 -43.856,34.294
  other v2: -1.524,23.227 0,23.227 1.524,23.227 -1.524,24.751 1.524,24.751 -1.524,26.275 0,26.275 1.524,26.275